# Altium PCB PCB_Banco.PcbDoc (part 1 of 2) (continued)
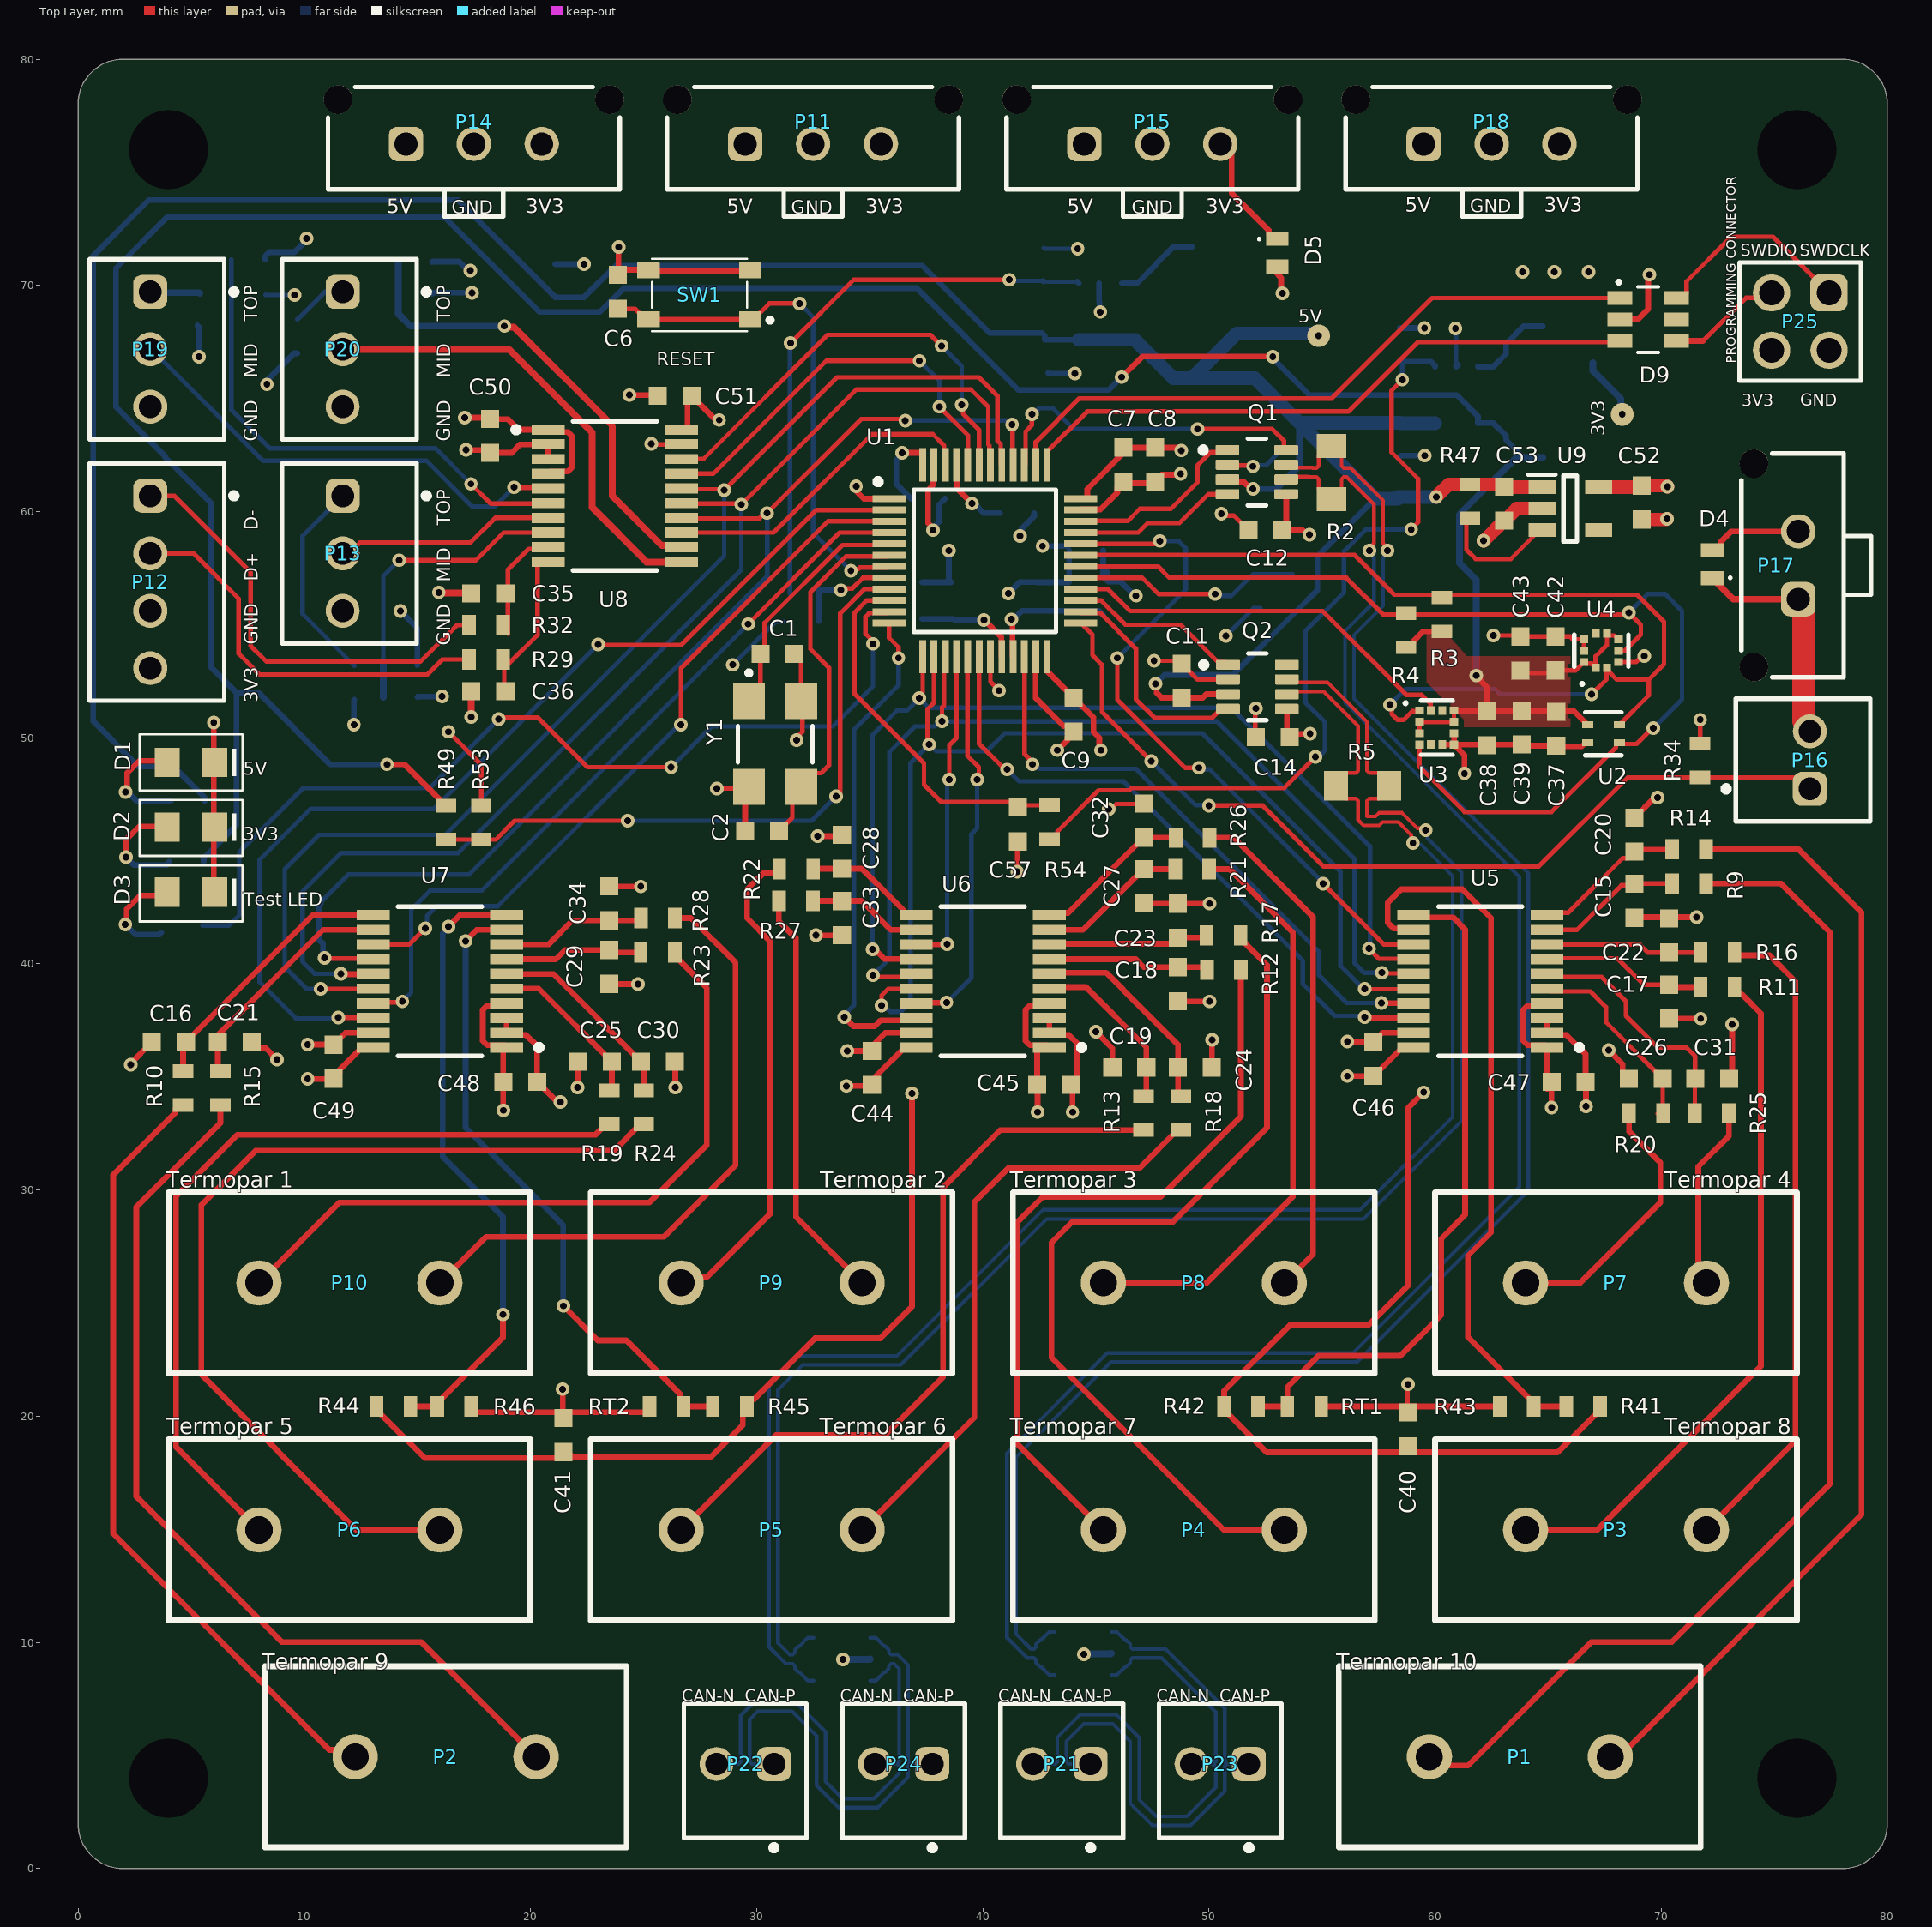
[diagram p0: Top Layer view]
## Components (designator, comment, footprint, x,y, rotation, side; value= is the part's Value field where it differs from the comment) (continued)
R22 "560112116014" WRIS-RSKS_0603_Reflow 31.752,44.186 r180 top value=1k
R23 "560112116014" WRIS-RSKS_0603_Reflow 25.632,40.503 r0 top value=1k
R24 "560112116014" WRIS-RSKS_0603_Reflow 25.009,33.657 r270 top value=1k
R25 "560112116014" WRIS-RSKS_0603_Reflow 72.241,33.391 r0 top value=1k
R26 "560112116014" WRIS-RSKS_0603_Reflow 49.278,45.583 r0 top value=1k
R27 "560112116014" WRIS-RSKS_0603_Reflow 31.74,42.789 r180 top value=1k
R28 "560112116014" WRIS-RSKS_0603_Reflow 25.644,42.027 r0 top value=1k
R29 "560112116014" WRIS-RSKS_0603_Reflow 18.039,54.981 r180 top value=1k
R30 "560112116005" WRIS-RSKS_0603_Reflow 14.263,51.802 r0 bottom value=10k
R31 "560112116005" WRIS-RSKS_0603_Reflow 12.219,52.437 r270 bottom value=10k
R32 "560112116014" WRIS-RSKS_0603_Reflow 18.039,53.457 r180 top value=1k
R33 "560112116020" WRIS-RSKS_0603_Reflow 14.259,53.199 r180 bottom value=330
R34 "560112116041" WRIS-RSKS_0603_Reflow 71.717,49 r270 top value=150
R35 "560112116005" WRIS-RSKS_0603_Reflow 7.53,71.144 r0 bottom value=10k
R36 "560112116005" WRIS-RSKS_0603_Reflow 5.275,68.975 r270 bottom value=10k
R37 "560112116005" WRIS-RSKS_0603_Reflow 14.907,71.031 r0 bottom value=10k
R38 "560112116005" WRIS-RSKS_0603_Reflow 9.7,67.75 r270 bottom value=10k
R39 "560112116020" WRIS-RSKS_0603_Reflow 7.53,69.589 r180 bottom value=330
R40 "560112116020" WRIS-RSKS_0603_Reflow 14.907,69.634 r180 bottom value=330
R41 "560112116005" WRIS-RSKS_0603_Reflow 66.55,20.437 r0 top value=10k
R42 "560112116005" WRIS-RSKS_0603_Reflow 51.425,20.437 r180 top value=10k
R43 "560112116009" WRIS-RSKS_0603_Reflow 63.617,20.437 r0 top value=100
R44 "560112116005" WRIS-RSKS_0603_Reflow 13.948,20.437 r180 top value=10k
R45 "560112116005" WRIS-RSKS_0603_Reflow 28.819,20.437 r0 top value=10k
R46 "560112116009" WRIS-RSKS_0603_Reflow 16.639,20.437 r180 top value=100
R47 "560112116004" WRIS-RSKS_0603_Reflow 61.533,60.456 r270 top value=100k
R48 "560112116005" WRIS-RSKS_0603_Reflow 53.7,56.475 r270 bottom value=10k
R49 "560112116005" WRIS-RSKS_0603_Reflow 16.271,46.25 r90 top value=10k
R50 "560112116067" WRIS-RSKS_0603_Reflow 32,56.425 r180 bottom value=470
R51 "560112116019" WRIS-RSKS_0603_Reflow 42.698,70.907 r270 bottom value=470K
R52 "560112116035" WRIS-RSKS_0603_Reflow 52.275,56.475 r90 bottom value=15k
R53 "560112116004" WRIS-RSKS_0603_Reflow 17.825,46.25 r270 top value=100k
R54 "560112116067" WRIS-RSKS_0603_Reflow 42.958,46.262 r270 top value=470
R55 "560112116019" WRIS-RSKS_0603_Reflow 58.446,67.375 r270 bottom value=470K
R56 "580070763010" 580070763010-Footprint-1 47.432,64.939 r90 bottom
R57 "580070763010" 580070763010-Footprint-1 62.926,61.425 r90 bottom
RT1 "PTS060301B100RP100" PTS060301B100RP100-Footprint-1 54.219,20.437 r180 top
RT2 "PTS060301B100RP100" PTS060301B100RP100-Footprint-1 26.025,20.437 r0 top
SW1 "PTS815SJM250SMTRLFS" PTS815SJM250SMTRLFS-Footprint-1 27.422,69.586 r180 top
U1 "STM32G473CET6" STM32G0C1RET6-Footprint-1 40.094,57.822 r0 top
U2 "WSEN HIDS" "WSEN HIDS-Footprint-1" 67.475,50.2 r180 top
U3 "WSEN-ITDS" WSEN-ITDS-Footprint-1 60.075,50.4 r0 top
U4 "WSEN-PADS" WSEN-PADS-Footprint-1 67.3,53.9 r90 top
U5 "MCP3564R-E/ST" FP-C04-088-MFG 62,39.233 r180 top
U6 "MCP3564R-E/ST" FP-C04-088-MFG 40,39.233 r180 top
U7 "MCP3564R-E/ST" FP-C04-088-MFG 16,39.233 r180 top
U8 "MCP3564R-E/ST" FP-C04-088-MFG 23.739,60.696 r0 top
U9 "TLV75733PDBVR" SOT95P280X145-5N 65.978,60.131 r0 top
U10 "INA138" INA138-Footprint-1 42.408,69.225 r270 bottom
U11 "INA138" INA138-Footprint-1 58.156,65.542 r270 bottom
Y1 "830056583" WE-XTAL_CFPX-104 30.825,49.725 r270 top

## Footprints (in the part's own frame and the unit in brackets; to place one, negate y for a bottom-side part, rotate by r counter-clockwise, add the part's x,y. Pads: shape width x height; smd on the part's side, far side on the other; paste and mask are expansions set on the pad)
61300421121 [mm] "Pin Header, pitch 2.54 mm, THT, Vertical, dual row, 4p"
  rrect50% 1.65x1.65 hole 1.1: 1(-1.27,-1.27)
  round 1.65 hole 1.1: 2(-1.27,1.27) 3(1.27,-1.27) 4(1.27,1.27)
  silkscreen extent -2.69,-2.62 2.69,2.62, body extent -2.54,-2.54 2.54,2.54, height 8.59
61900211121 [mm] "2.54mm Male Locking Header, 2p"
  rrect50% 1.5x1.5 hole 1: 1(1.27,0.3)
  round 1.5 hole 1: 2(-1.27,0.3)
  silkscreen extent -2.71,-3.52 2.71,2.98, body extent -2.54,-2.9 2.54,2.9, height 11.53
61900311121 [mm] "2.54mm Male Locking Header, 3p"
  rrect50% 1.5x1.5 hole 1: 1(2.54,0.3)
  round 1.5 hole 1: 2(0,0.3) 3(-2.54,0.3)
  silkscreen extent -3.98,-3.52 3.98,2.98, body extent -3.81,-2.9 3.81,2.9, height 11.53
61900411121 [mm] "2.54mm Male Locking Header, 4p"
  rrect50% 1.5x1.5 hole 1: 1(3.81,0.3)
  round 1.5 hole 1: 2(1.27,0.3) 3(-1.27,0.3) 4(-3.81,0.3)
  silkscreen extent -5.25,-3.52 5.25,2.98, body extent -5.08,-2.9 5.08,2.9, height 11.53
66200211122 [mm] "3.00mm Male Single Row Vertical Header, 2p"
  rrect50% 1.52x1.52 hole 1.02: 1(1.5,0.255)
  round 1.52 hole 1.02: 2(-1.5,0.255)
  round 1.27 hole 1.27 unplated: MH1(-4.5,-1.705) MH2(4.5,-1.705)
  silkscreen extent -4.95,-2.26 4.95,3.46, body extent -4.83,-2.18 4.83,3.38, height 9.93
66200311122 [mm] "3.00mm Male Single Row Vertical Header, 3p"
  rrect50% 1.52x1.52 hole 1.02: 1(3,0.255)
  round 1.52 hole 1.02: 2(0,0.255) 3(-3,0.255)
  round 1.27 hole 1.27 unplated: MH1(-6,-1.705) MH2(6,-1.705)
  silkscreen extent -6.45,-2.26 6.45,3.46, body extent -6.32,-2.19 6.32,3.38, height 9.93
580070763010-Footprint-1 [mm]
  rect 1.8x3.5 smd: 1(0.964,1.834) 2(6.764,1.834)
  silkscreen extent 2.21,0.16 5.51,3.51, body extent 0.71,0.28 7.01,3.38, height 0.35
FP-C04-088-MFG [mm]
  rect 1.45x0.45 smd paste+0 mask+0: 1(-2.95,2.925) 2(-2.95,2.275) 3(-2.95,1.625) 4(-2.95,0.975) 5(-2.95,0.325) 6(-2.95,-0.325) 7(-2.95,-0.975) 8(-2.95,-1.625) 9(-2.95,-2.275) 10(-2.95,-2.925) 11(2.95,-2.925) 12(2.95,-2.275) 13(2.95,-1.625) 14(2.95,-0.975) 15(2.95,-0.325) 16(2.95,0.325) 17(2.95,0.975) 18(2.95,1.625) 19(2.95,2.275) 20(2.95,2.925)
  silkscreen extent -4.5,-3.3 1.85,3.3, body extent -3.77,-3.55 3.77,3.55, height 0.25
FP-DDF0008A-MFG [mm]
  rrect22% 1.05x0.45 smd paste+0 mask+0: 1(-1.3,0.975) 2(-1.3,0.325) 3(-1.3,-0.325) 4(-1.3,-0.975) 5(1.3,-0.975) 6(1.3,-0.325) 7(1.3,0.325) 8(1.3,0.975)
  silkscreen extent -2.5,-1.48 0.4,1.48, body extent -1.92,-1.73 1.92,1.73, height 0.25
INA138-Footprint-1 [mm]
  rect 1.2x0.6 smd: 1(-0.869,-1.844) 2(-0.869,-2.794) 3(-0.869,-3.744) 4(1.631,-3.744) 5(1.631,-1.844)
  silkscreen extent -1.47,-4.24 0.68,-1.29, body extent -1.02,-4.24 1.78,-1.34, height 1.2
"New footprint 1" [mm]
  round 2 hole 1.2: 1(0,4) 2(0,-4)
  silkscreen extent -4,-8 4,8, body extent -3.94,-7.85 4.06,7.85, height 25
PTS815SJM250SMTRLFS-Footprint-1 [mm]
  rect 1x0.7 smd: 1(-2.305,1.079) 1(2.195,1.079) 2(-2.305,-1.071) 2(2.195,-1.071)
  silkscreen extent -3.27,-1.6 2.05,1.61, body extent -2.35,-1.6 2.25,1.6, height 2.6
PTS060301B100RP100-Footprint-1 [mm]
  rect 0.6x0.9 smd: 1(-0.75,0) 2(0.75,0)
  body extent -0.8,-0.4 0.8,0.4, height 0.45
RCS0805120RFKEA-Footprint-1 [mm]
  rect 1.05x1.3 smd: 1(-1.175,0) 2(1.175,0)
  body extent -1,-0.63 1,0.63, height 0.53
SOT95P280X145-5N [mm]
  rect 1.2x0.6 smd: 1(-1.25,0.95) 2(-1.25,0) 3(-1.25,-0.95) 4(1.25,-0.95) 5(1.25,0.95)
  silkscreen extent -1.85,-1.45 0.3,1.5, body extent -1.4,-1.45 1.4,1.45, height 1.45
STM32G0C1RET6-Footprint-1 [mm]
  rect 1.475x0.3 smd: 1(-4.238,2.75) 2(-4.238,2.25) 3(-4.238,1.75) 4(-4.238,1.25) 5(-4.238,0.75) 6(-4.238,0.25) 7(-4.238,-0.25) 8(-4.238,-0.75) 9(-4.238,-1.25) 10(-4.238,-1.75) 11(-4.238,-2.25) 12(-4.238,-2.75) 25(4.238,-2.75) 26(4.238,-2.25) 27(4.238,-1.75) 28(4.238,-1.25) 29(4.238,-0.75) 30(4.238,-0.25) 31(4.238,0.25) 32(4.238,0.75) 33(4.238,1.25) 34(4.238,1.75) 35(4.238,2.25) 36(4.238,2.75)
  rect 0.3x1.475 smd: 13(-2.75,-4.238) 14(-2.25,-4.238) 15(-1.75,-4.238) 16(-1.25,-4.238) 17(-0.75,-4.238) 18(-0.25,-4.238) 19(0.25,-4.238) 20(0.75,-4.238) 21(1.25,-4.238) 22(1.75,-4.238) 23(2.25,-4.238) 24(2.75,-4.238) 37(2.75,4.238) 38(2.25,4.238) 39(1.75,4.238) 40(1.25,4.238) 41(0.75,4.238) 42(0.25,4.238) 43(-0.25,4.238) 44(-0.75,4.238) 45(-1.25,4.238) 46(-1.75,4.238) 47(-2.25,4.238) 48(-2.75,4.238)
  silkscreen extent -4.85,-3.15 3.15,3.62, body extent -4.5,-4.5 4.5,4.5, height 1.6
WCAP-CSGP_0603_L1.6W0.8H0.8_Reflow [mm] "Ceramic Capacitors, body 1.6x0.8mm"
  rect 0.8x0.8 smd: 1(-0.75,0) 2(0.75,0)
  body extent -0.8,-0.4 0.8,0.4, height 0.8
WE-CBF_0603_L1.6W0.8H0.8_HC [mm] "SMD EMI Suppression Ferrite  Bead, body 1.60x0.80mm"
  rect 0.95x0.7 smd: 1(-0.825,0) 2(0.825,0)
  body extent -0.8,-0.4 0.8,0.4, height 0.8
WE-TVS_DFN1610-2L [mm] "TVS Diode, package DFN1610-2L"
  rect 0.625x1 smd: 1(-0.613,0) 2(0.613,0)
  silkscreen extent -0.65,-0.85 -0.55,-0.75, body extent -0.8,-0.5 0.8,0.5, height 0.51
WE-TVS_SOT23-6L [mm] "TVS Diode, package SOT23-6L"
  rect 0.6x1.1 smd: 1(-0.95,-1.25) 2(0,-1.25) 3(0.95,-1.25) 4(0.95,1.25) 5(0,1.25) 6(-0.95,1.25)
  silkscreen extent -1.72,-1.38 1.45,0.45, body extent -1.45,-1.4 1.45,1.4, height 1.16
WE-XTAL_CFPX-104 [mm] "Quartz Crystal, size CFPX-104, body 5x3.2mm"
  rect 1.6x1.4 smd: 1(-1.9,-1.15) 2(1.9,-1.15) 3(1.9,1.15) 4(-1.9,1.15)
  silkscreen extent -3.24,-1.65 0.8,1.65, body extent -2.5,-1.6 2.5,1.6, height 0.95
WL-SMCW_0805_150080xx75000 [mm] "SMD Mono-color Chip LED, body 2.0x1.25mm"
  rect 1.1x1.3 smd: 1(-1.05,0) 2(1.05,0)
  silkscreen extent -2,-0.6 -1.8,0.6, body extent -1,-0.63 1,0.62, height 0.7
WRIS-RSKS_0603_Reflow [mm] "Fixed Thick Film, body 1.60 x 0.80 mm"
  rect 0.6x0.9 smd: 1(-0.75,0) 2(0.75,0)
  body extent -0.8,-0.4 0.8,0.4, height 0.45
"WSEN HIDS-Footprint-1" [mm]
  rect 0.5x0.3 smd paste-0.02 mask+0.05: 1(-0.675,0.425) 2(-0.675,-0.375) 3(0.725,-0.375) 4(0.725,0.425)
  silkscreen extent -0.78,-0.92 0.83,0.97, body extent -0.73,-0.73 0.78,0.78, height 0.55
WSEN-ITDS-Footprint-1 [mm]
  rect 0.375x0.35 smd paste-0.02 mask+0.05: 1(-0.762,0.8) 2(-0.762,0.3) 3(-0.762,-0.2) 4(-0.762,-0.7) 7(0.762,-0.7) 8(0.762,-0.2) 9(0.762,0.3) 10(0.762,0.8)
  rect 0.35x0.375 smd paste-0.02 mask+0.05: 5(-0.25,-0.7) 6(0.25,-0.7) 11(0.25,0.8) 12(-0.25,0.8)
  silkscreen extent -1.41,-1.15 0.7,1.25, body extent -1,-0.95 1,1.05, height 0.7
WSEN-PADS-Footprint-1 [mm]
  rect 0.375x0.35 smd paste-0.02 mask+0.05: 1(-0.81,0.2) 2(-0.81,-0.3) 6(0.71,-0.3) 7(0.71,0.2)
  rect 0.35x0.375 smd paste-0.02 mask+0.05: 3(-0.55,-0.81) 4(-0.05,-0.81) 5(0.45,-0.81) 8(0.45,0.71) 9(-0.05,0.71) 10(-0.55,0.71)
  silkscreen extent -1.55,-1.25 0.65,1.15, body extent -1.05,-1.05 0.95,0.95, height 0.73

## Part data
C1 C2: library part CMP-001-00150-1, "WCAP-CSGP Multilayer Ceramic Chip Capacitor, General Purpose, size 0603, NP0, 22pF, 25VDC", Capacitance Tolerance=+/-5%, Case/Package=0603, Insulation Resistance=10GOhm, Manufacturer="Wurth Elektronik", Operating Temperature Max=125°C, Operating Temperature Min=-55°C, Rated Voltage (DC)=25V, Category="Multilayer Ceramic Chip Capacitors", Ceramic Type=NP0, Component Type=Standard, ComponentLink1Description="Website Link", ComponentLink1URL=https://www.we-online.com/redexpert/article/885012006034?ad, ComponentLink2Description="Datasheet Link", ComponentLink2URL=https://www.we-online.com/redexpert/spec/885012006034?ad, Design Item ID=885012006034, Height=0.8mm, Length=1.6mm, Manufacturer Part Number=885012006034, Match Code=WCAP-CSGP, Mount="Surface Mount", Packaging="Tape and Reel", Pins=2, Q Factor=840, Source=WCAP-CSGP.SchLib, Technical Reference=NP00603220J025DFCT10000, Width=0.8mm
C3 C5 C44 C47 C49 C51 C52 C53 C58: library part CMP-001-00642-1, "WCAP-CSGP Multilayer Ceramic Chip Capacitor, General Purpose, size 0603, X7R, 1uF, 16VDC", Capacitance Tolerance=+/-10%, Case/Package=0603, Insulation Resistance=0.1GOhm, Manufacturer="Wurth Elektronik", Operating Temperature Max=125°C, Operating Temperature Min=-55°C, Rated Voltage (DC)=16V, Category="Multilayer Ceramic Chip Capacitors", Ceramic Type=X7R, Component Type=Standard, ComponentLink1Description="Website Link", ComponentLink1URL=https://www.we-online.com/redexpert/article/885012206052?ad, ComponentLink2Description="Datasheet Link", ComponentLink2URL=https://www.we-online.com/redexpert/spec/885012206052?ad, Design Item ID=885012206052, Dissipation Factor=10%, Height=0.8mm, Length=1.6mm, Manufacturer Part Number=885012206052, Match Code=WCAP-CSGP, Mount="Surface Mount", Packaging="Tape and Reel", Pins=2, Source=WCAP-CSGP.SchLib, Technical Reference=X7R0603105K016DFCT10000, Width=0.8mm
C4: library part CMP-001-00655-1, "WCAP-CSGP Multilayer Ceramic Chip Capacitor, General Purpose, size 0603, X7R, 10nF, 25VDC", Capacitance Tolerance=+/-10%, Case/Package=0603, Insulation Resistance=10GOhm, Manufacturer="Wurth Elektronik", Operating Temperature Max=125°C, Operating Temperature Min=-55°C, Rated Voltage (DC)=25V, Category="Multilayer Ceramic Chip Capacitors", Ceramic Type=X7R, Component Type=Standard, ComponentLink1Description="Website Link", ComponentLink1URL=https://www.we-online.com/redexpert/article/885012206065?ad, ComponentLink2Description="Datasheet Link", ComponentLink2URL=https://www.we-online.com/redexpert/spec/885012206065?ad, Design Item ID=885012206065, Dissipation Factor=3.5%, Height=0.8mm, Length=1.6mm, Manufacturer Part Number=885012206065, Match Code=WCAP-CSGP, Mount="Surface Mount", Packaging="Tape and Reel", Pins=2, Source=WCAP-CSGP.SchLib, Technical Reference=X7R0603103K025DFCT10000, Width=0.8mm
C6 C8 C9 C10 C11 C12 C13 C14 C15 C16 C17 C18 C19 C20 C21 C22 C23 C24 C25 C26 C27 C28 C29 C30 C31 C32 C33 C34 C35 C36 C37 C39 C43 C45 C46 C48 C50 C54 C56 C59: library part CMP-001-00661-1, "WCAP-CSGP Multilayer Ceramic Chip Capacitor, General Purpose, size 0603, X7R, 100nF, 25VDC", Capacitance Tolerance=+/-10%, Case/Package=0603, Insulation Resistance=5GOhm, Manufacturer="Wurth Elektronik", Operating Temperature Max=125°C, Operating Temperature Min=-55°C, Rated Voltage (DC)=25V, Category="Multilayer Ceramic Chip Capacitors", Ceramic Type=X7R, Component Type=Standard, ComponentLink1Description="Website Link", ComponentLink1URL=https://www.we-online.com/redexpert/article/885012206071?ad, ComponentLink2Description="Datasheet Link", ComponentLink2URL=https://www.we-online.com/redexpert/spec/885012206071?ad, Design Item ID=885012206071, Dissipation Factor=3.5%, Height=0.8mm, Length=1.6mm, Manufacturer Part Number=885012206071, Match Code=WCAP-CSGP, Mount="Surface Mount", Packaging="Tape and Reel", Pins=2, Source=WCAP-CSGP.SchLib, Technical Reference=X7R0603104K025DFCT10000, Width=0.8mm
C7 C38 C42: library part CMP-001-00440-1, "WCAP-CSGP Multilayer Ceramic Chip Capacitor, General Purpose, size 0603, X5R, 4.7uF, 10VDC", Capacitance Tolerance=+/-20%, Case/Package=0603, Insulation Resistance=0.02GOhm, Manufacturer="Wurth Elektronik", Operating Temperature Max=85°C, Operating Temperature Min=-55°C, Rated Voltage (DC)=10V, Category="Multilayer Ceramic Chip Capacitors", Ceramic Type=X5R, Component Type=Standard, ComponentLink1Description="Website Link", ComponentLink1URL=https://www.we-online.com/redexpert/article/885012106012?ad, ComponentLink2Description="Datasheet Link", ComponentLink2URL=https://www.we-online.com/redexpert/spec/885012106012?ad, Design Item ID=885012106012, Dissipation Factor=10%, Height=0.8mm, Length=1.6mm, Manufacturer Part Number=885012106012, Match Code=WCAP-CSGP, Mount="Surface Mount", Packaging="Tape and Reel", Pins=2, Source=WCAP-CSGP.SchLib, Technical Reference=X5R0603475M010DFCT10000, Width=0.8mm
C40 C41: library part CMP-001-00610-1, "WCAP-CSGP Multilayer Ceramic Chip Capacitor, General Purpose, size 0603, X7R, 100nF, 10VDC", Capacitance Tolerance=+/-10%, Case/Package=0603, Insulation Resistance=5GOhm, Manufacturer="Wurth Elektronik", Operating Temperature Max=125°C, Operating Temperature Min=-55°C, Rated Voltage (DC)=10V, Category="Multilayer Ceramic Chip Capacitors", Ceramic Type=X7R, Component Type=Standard, ComponentLink1Description="Website Link", ComponentLink1URL=https://www.we-online.com/redexpert/article/885012206020?ad, ComponentLink2Description="Datasheet Link", ComponentLink2URL=https://www.we-online.com/redexpert/spec/885012206020?ad, Design Item ID=885012206020, Dissipation Factor=5%, Height=0.8mm, Length=1.6mm, Manufacturer Part Number=885012206020, Match Code=WCAP-CSGP, Mount="Surface Mount", Packaging="Tape and Reel", Pins=2, Source=WCAP-CSGP.SchLib, Technical Reference=X7R0603104K010DFCT10000, Width=0.8mm
C55 C57: library part CMP-001-00652-1, "WCAP-CSGP Multilayer Ceramic Chip Capacitor, General Purpose, size 0603, X7R, 3.3nF, 25VDC", Capacitance Tolerance=+/-10%, Case/Package=0603, Insulation Resistance=10GOhm, Manufacturer="Wurth Elektronik", Operating Temperature Max=125°C, Operating Temperature Min=-55°C, Rated Voltage (DC)=25V, Category="Multilayer Ceramic Chip Capacitors", Ceramic Type=X7R, Component Type=Standard, ComponentLink1Description="Website Link", ComponentLink1URL=https://www.we-online.com/redexpert/article/885012206062?ad, ComponentLink2Description="Datasheet Link", ComponentLink2URL=https://www.we-online.com/redexpert/spec/885012206062?ad, Design Item ID=885012206062, Dissipation Factor=3.5%, Height=0.8mm, Length=1.6mm, Manufacturer Part Number=885012206062, Match Code=WCAP-CSGP, Mount="Surface Mount", Packaging="Tape and Reel", Pins=2, Source=WCAP-CSGP.SchLib, Technical Reference=X7R0603332K025DFCT10000, Width=0.8mm
D1 D2: library part CMP-004-00452-1, "WL-SMCW Mono-color Chip LED Waterclear, SMT, size 0805, Green, 3.2V, 140°", Case/Package=0805, Emitting Color=Green, Forward Voltage=3.2V, Manufacturer="Wurth Elektronik", Operating Temperature Max=85°C, Operating Temperature Min=-40°C, Category="Signal LEDs", Chip Technology=InGaN, Component Type=Standard, ComponentLink1Description="Website Link", ComponentLink1URL=https://www.we-online.com/redexpert/article/150080GS75000?ad, ComponentLink2Description="Datasheet Link", ComponentLink2URL=https://www.we-online.com/redexpert/spec/150080GS75000?ad, Design Item ID=150080GS75000, Dominant Wavelength=525nm, Height=0.7mm, Length=2mm, Luminous Intensity=450mcd, Manufacturer Part Number=150080GS75000, Match Code=WL-SMCW, Mount="Surface Mount", Packaging="Tape and Reel", Peak Wavelength=515nm, Pins=2, Source=WL-SMCW.SchLib, Viewing Angle=140°, Width=1.25mm
D3: library part CMP-004-00456-1, "WL-SMCW Mono-color Chip LED Waterclear, SMT, size 0805, Yellow, 2V, 140°", Case/Package=0805, Emitting Color=Yellow, Forward Voltage=2V, Manufacturer="Wurth Elektronik", Operating Temperature Max=85°C, Operating Temperature Min=-40°C, Category="Signal LEDs", Chip Technology=AlInGaP, Component Type=Standard, ComponentLink1Description="Website Link", ComponentLink1URL=https://www.we-online.com/redexpert/article/150080YS75000?ad, ComponentLink2Description="Datasheet Link", ComponentLink2URL=https://www.we-online.com/redexpert/spec/150080YS75000?ad, Design Item ID=150080YS75000, Dominant Wavelength=590nm, Height=0.7mm, Length=2mm, Luminous Intensity=120mcd, Manufacturer Part Number=150080YS75000, Match Code=WL-SMCW, Mount="Surface Mount", Packaging="Tape and Reel", Peak Wavelength=595nm, Pins=2, Source=WL-SMCW.SchLib, Viewing Angle=140°, Width=1.25mm
D4: library part CMP-004-00054-1, "WE-TVS TVS Diode – Standard Series, DFN1610-2L, 1 Channel, 20V, 240pF", (Reverse) Breakdown Voltage=22.8V, (Reverse) Peak Pulse Current=24A, Case/Package=DFN1610-2L, Channel ESD Clamping Voltage=25.5V, Channel Input Capacitance=240pF, Channel Operating Voltage=20V, Channel Reverse Leakage Current=1uA, Manufacturer="Wurth Elektronik", Operating Temperature Max=85°C, Operating Temperature Min=-55°C, Category="ESD Protection", Component Type=Standard, ComponentLink1Description="Website Link", ComponentLink1URL=https://www.we-online.com/redexpert/article/824045810?ad, ComponentLink2Description="Datasheet Link", ComponentLink2URL=https://www.we-online.com/redexpert/spec/824045810?ad, Design Item ID=824045810, ESD Air Discharge Capability=30kV, ESD Contact Discharge Capability=30kV, Height=0.5mm, Length=1.6mm, Manufacturer Part Number=824045810, Match Code=WE-TVS, Mount="Surface Mount", Number of Channels=1, Packaging="Tape and Reel", Pins=2, Polarity=Unidirectional, Source=WE-TVS.SchLib, Width=1mm
D5: library part CMP-03913-133963840-1, "824032813 Tvs Diode, Bidir, 3.3V, Dfn1610 Rohs Compliant: Yes", Max Operating Temperature=125°C, Min Operating Temperature=-55°C, Height=500µm, Length=1.6mm, NexarPartId=133963840, RoHS=Compliant, Width=1mm
D6: library part CMP-03913-133963841-1, "824032815 Tvs Diode, Bidir, 5V, Dfn1610 Rohs Compliant: Yes", Max Operating Temperature=85°C, Min Operating Temperature=-55°C, Height=500µm, Length=1.6mm, NexarPartId=133963841, RoHS=Compliant, Width=1mm
D7 D8 D9: library part CMP-004-00017-1, "WE-TVS TVS Diode – High Speed Series, SOT23-6L, 2+1 Channel, 5V, 2pF", (Reverse) Breakdown Voltage=6V, (Reverse) Peak Pulse Current=7A, Case/Package=SOT23-6L, Channel ESD Clamping Voltage=10V, Channel Input Capacitance=2pF, Channel Operating Voltage=5V, Channel Reverse Leakage Current=1uA, Manufacturer="Wurth Elektronik", Operating Temperature Max=125°C, Operating Temperature Min=-40°C, Category="ESD Protection", Component Type=Standard, ComponentLink1Description="Website Link", ComponentLink1URL=https://www.we-online.com/redexpert/article/82400102?ad, ComponentLink2Description="Datasheet Link", ComponentLink2URL=https://www.we-online.com/redexpert/spec/82400102?ad, Design Item ID=82400102, ESD Air Discharge Capability=15kV, ESD Contact Discharge Capability=8kV, Height=1.45mm, Length=2.9mm, Manufacturer Part Number=82400102, Match Code=WE-TVS, Mount="Surface Mount", Number of Channels=2+1, Packaging="Tape and Reel", Pins=6, Polarity=Unidirectional, Source=WE-TVS.SchLib, Width=2.8mm
FB1: library part CMP-006-00120-1, "WE-CBF SMT EMI Suppression Ferrite Bead, size 0603, 120Ohm, 2A", Case/Package=0603, DC Resistance Max=0.05Ohm, Manufacturer="Wurth Elektronik", Operating Temperature Max=125°C, Operating Temperature Min=-55°C, Rated Current=2A, Category="Ferrites for PCB Assembly", Component Type=Standard, ComponentLink1Description="Website Link", ComponentLink1URL=https://www.we-online.com/redexpert/article/742792625?ad, ComponentLink2Description="Datasheet Link", ComponentLink2URL=https://www.we-online.com/redexpert/spec/742792625?ad, Design Item ID=742792625, Height=0.8mm, Impedance @100MHz=120Ohm, Impedance Max=180Ohm, Impedance Max Test Condition=400MHz, Length=1.6mm, Manufacturer Part Number=742792625, Match Code=WE-CBF, Mount="Surface Mount", Packaging="Tape and Reel", Pins=2, Source=WE-CBF.SchLib, Type="High Current", Width=0.8mm
P1 P2 P3 P4 P5 P6 P7 P8 P9 P10: library part CMP-002-00006-3, "Conector para termopar vertical (hembra)"
P11 P14 P15 P18: library part CMP-002-00024-2, "WR-MPC3 THT Male Vertical Header, pitch 3mm, 3p", Contact Resistance=10mOhm, Insulation Resistance=>1000MOhm, Manufacturer="Wurth Elektronik", Operating Temperature Max=105°C, Operating Temperature Min=-40°C, Rated Current=5A, Working Voltage="250V (AC)", Category="Wire-to-Board Connectors", Component Type=Standard, ComponentLink1Description="Website Link", ComponentLink1URL=https://www.we-online.com/redexpert/article/66200311122?ad, ComponentLink2Description="Datasheet Link", ComponentLink2URL=https://www.we-online.com/redexpert/spec/66200311122?ad, Design Item ID=66200311122, Gender=Male, Height=11mm, Length=12.65mm, Manufacturer Part Number=66200311122, Match Code=WR-MPC3, Mount="Through Hole", Number of Rows=1, Orientation=Vertical, Packaging=Tube, Pin Count=3, Pins=3, Pitch=3mm, Source=WR-MPC3.SchLib, Width=5.57mm
P12: library part CMP-002-00293-1, "WR-WTB THT Male Vertical Locking Header, pitch 2.54mm, 4pins", Contact Resistance=20mOhm, Manufacturer="Wurth Elektronik", Operating Temperature Max=105°C, Operating Temperature Min=-40°C, Rated Current=3A, Withstanding Voltage=1000VAC, Working Voltage=250VAC, Category="Wire-to-Board Connectors", Component Type=Standard, ComponentLink1Description="Website Link", ComponentLink1URL=https://www.we-online.com/redexpert/article/61900411121?ad, ComponentLink2Description="Datasheet Link", ComponentLink2URL=https://www.we-online.com/redexpert/spec/61900411121?ad, Design Item ID=61900411121, Gender=Male, Height=11.5mm, Length=10.16mm, Manufacturer Part Number=61900411121, Match Code=WR-WTB, Mount="Through Hole", Number of Rows=1, Orientation=Vertical, Packaging=Bag, Pin Count=4, Pins=4, Pitch=2.54mm, Source=WR-WTB.SchLib, Width=5.8mm
P13 P19 P20: library part CMP-002-00290-1, "WR-WTB THT Male Vertical Locking Header, pitch 2.54mm, 3pins", Contact Resistance=20mOhm, Manufacturer="Wurth Elektronik", Operating Temperature Max=105°C, Operating Temperature Min=-40°C, Rated Current=3A, Withstanding Voltage=1000VAC, Working Voltage=250VAC, Category="Wire-to-Board Connectors", Component Type=Standard, ComponentLink1Description="Website Link", ComponentLink1URL=https://www.we-online.com/redexpert/article/61900311121?ad, ComponentLink2Description="Datasheet Link", ComponentLink2URL=https://www.we-online.com/redexpert/spec/61900311121?ad, Design Item ID=61900311121, Gender=Male, Height=11.5mm, Length=7.62mm, Manufacturer Part Number=61900311121, Match Code=WR-WTB, Mount="Through Hole", Number of Rows=1, Orientation=Vertical, Packaging=Bag, Pin Count=3, Pins=3, Pitch=2.54mm, Source=WR-WTB.SchLib, Width=5.8mm
P16 P21 P22 P23 P24: library part CMP-002-00287-1, "WR-WTB THT Male Vertical Locking Header, pitch 2.54mm, 2pins", Contact Resistance=20mOhm, Manufacturer="Wurth Elektronik", Operating Temperature Max=105°C, Operating Temperature Min=-40°C, Rated Current=3A, Withstanding Voltage=1000VAC, Working Voltage=250VAC, Category="Wire-to-Board Connectors", Component Type=Standard, ComponentLink1Description="Website Link", ComponentLink1URL=https://www.we-online.com/redexpert/article/61900211121?ad, ComponentLink2Description="Datasheet Link", ComponentLink2URL=https://www.we-online.com/redexpert/spec/61900211121?ad, Design Item ID=61900211121, Gender=Male, Height=11.5mm, Length=5.08mm, Manufacturer Part Number=61900211121, Match Code=WR-WTB, Mount="Through Hole", Number of Rows=1, Orientation=Vertical, Packaging=Bag, Pin Count=2, Pins=2, Pitch=2.54mm, Source=WR-WTB.SchLib, Width=5.8mm
P17: library part CMP-002-00010-2, "WR-MPC3 THT Male Vertical Header, pitch 3mm, 2p", Contact Resistance=10mOhm, Insulation Resistance=>1000MOhm, Manufacturer="Wurth Elektronik", Operating Temperature Max=105°C, Operating Temperature Min=-40°C, Rated Current=5A, Working Voltage="250V (AC)", Category="Wire-to-Board Connectors", Component Type=Standard, ComponentLink1Description="Website Link", ComponentLink1URL=https://www.we-online.com/redexpert/article/66200211122?ad, ComponentLink2Description="Datasheet Link", ComponentLink2URL=https://www.we-online.com/redexpert/spec/66200211122?ad, Design Item ID=66200211122, Gender=Male, Height=11mm, Length=9.65mm, Manufacturer Part Number=66200211122, Match Code=WR-MPC3, Mount="Through Hole", Number of Rows=1, Orientation=Vertical, Packaging=Tube, Pin Count=2, Pins=2, Pitch=3mm, Source=WR-MPC3.SchLib, Width=5.57mm
P25: library part CMP-002-00747-2, "Board Connector, 4 Contact(s), 2 Row(s), Male, Straight, 0.1 inch Pitch, Solder Terminal, Black Insulator, Plug", Max Operating Temperature=125°C, Min Operating Temperature=-40°C, Connector Type="BOARD CONNECTOR", Mounting Technology=Board, RoHS Compliant=Yes
Q1 Q2: library part CMP-015-00003-4, "Enhanced automotive CAN transceiver with standby 8-SOT-23-THIN -40 to 150"
R1 R30 R31 R35 R36 R37 R38 R41 R42 R44 R45 R48 R49: library part CMP-009-00328-1, "WRIS-RSKS Thick Film Resistor, size 0603, 10000Ohm, 100mW", Case/Package=0603, Limiting Element Voltage=75V, Manufacturer="Wurth Elektronik", Operating Temperature Max=155°C, Operating Temperature Min=-55°C, Rated Power=100mW, Resistance Tolerance=+/-1%, Temperature Coefficient of Resistance Max=100ppm/°C, Temperature Coefficient of Resistance Min=-100ppm/°C, Category="Thick Film Resistors", Component Type=Standard, ComponentLink1Description="Website Link", ComponentLink1URL=https://www.we-online.com/redexpert/article/560112116005?ad, ComponentLink2Description="Datasheet Link", ComponentLink2URL=https://www.we-online.com/redexpert/spec/560112116005?ad, Design Item ID=560112116005, Height=0.45mm, Length=1.6mm, Manufacturer Part Number=560112116005, Match Code=WRIS-RSKS, Mount="Surface Mount", Packaging="Tape and Reel", Pins=2, Source=WRIS-RSKS.SchLib, Width=0.8mm
R2 R5: library part CMP-009-00119-3, "Fixed Resistor, Metal Glaze/thick Film, 0.4W, 120ohm, 150V, 1% +/-Tol, 100ppm/Cel, Surface Mount, 0805", Case/Package=0805, Power=500mW, Mounting Technology=SMD, Pins=2
R3 R4: library part CMP-009-00393-1, "WRIS-RSKS Thick Film Resistor, size 0603, 1200Ohm, 100mW", Case/Package=0603, Limiting Element Voltage=75V, Manufacturer="Wurth Elektronik", Operating Temperature Max=155°C, Operating Temperature Min=-55°C, Rated Power=100mW, Resistance Tolerance=+/-1%, Temperature Coefficient of Resistance Max=100ppm/°C, Temperature Coefficient of Resistance Min=-100ppm/°C, Category="Thick Film Resistors", Component Type=Standard, ComponentLink1Description="Website Link", ComponentLink1URL=https://www.we-online.com/redexpert/article/560112116070?ad, ComponentLink2Description="Datasheet Link", ComponentLink2URL=https://www.we-online.com/redexpert/spec/560112116070?ad, Design Item ID=560112116070, Height=0.45mm, Length=1.6mm, Manufacturer Part Number=560112116070, Match Code=WRIS-RSKS, Mount="Surface Mount", Packaging="Tape and Reel", Pins=2, Source=WRIS-RSKS.SchLib, Width=0.8mm
R6 R9 R10 R11 R12 R13 R14 R15 R16 R17 R18 R19 R20 R21 R22 R23 R24 R25 R26 R27 R28 R29 R32: library part CMP-009-00337-1, "WRIS-RSKS Thick Film Resistor, size 0603, 1000Ohm, 100mW", Case/Package=0603, Limiting Element Voltage=75V, Manufacturer="Wurth Elektronik", Operating Temperature Max=155°C, Operating Temperature Min=-55°C, Rated Power=100mW, Resistance Tolerance=+/-1%, Temperature Coefficient of Resistance Max=100ppm/°C, Temperature Coefficient of Resistance Min=-100ppm/°C, Category="Thick Film Resistors", Component Type=Standard, ComponentLink1Description="Website Link", ComponentLink1URL=https://www.we-online.com/redexpert/article/560112116014?ad, ComponentLink2Description="Datasheet Link", ComponentLink2URL=https://www.we-online.com/redexpert/spec/560112116014?ad, Design Item ID=560112116014, Height=0.45mm, Length=1.6mm, Manufacturer Part Number=560112116014, Match Code=WRIS-RSKS, Mount="Surface Mount", Packaging="Tape and Reel", Pins=2, Source=WRIS-RSKS.SchLib, Width=0.8mm
R7 R43 R46: library part CMP-009-00332-1, "WRIS-RSKS Thick Film Resistor, size 0603, 100Ohm, 100mW", Case/Package=0603, Limiting Element Voltage=75V, Manufacturer="Wurth Elektronik", Operating Temperature Max=155°C, Operating Temperature Min=-55°C, Rated Power=100mW, Resistance Tolerance=+/-1%, Temperature Coefficient of Resistance Max=100ppm/°C, Temperature Coefficient of Resistance Min=-100ppm/°C, Category="Thick Film Resistors", Component Type=Standard, ComponentLink1Description="Website Link", ComponentLink1URL=https://www.we-online.com/redexpert/article/560112116009?ad, ComponentLink2Description="Datasheet Link", ComponentLink2URL=https://www.we-online.com/redexpert/spec/560112116009?ad, Design Item ID=560112116009, Height=0.45mm, Length=1.6mm, Manufacturer Part Number=560112116009, Match Code=WRIS-RSKS, Mount="Surface Mount", Packaging="Tape and Reel", Pins=2, Source=WRIS-RSKS.SchLib, Width=0.8mm
R8: library part CMP-009-00361-1, "WRIS-RSKS Thick Film Resistor, size 0603, 1500Ohm, 100mW", Case/Package=0603, Limiting Element Voltage=75V, Manufacturer="Wurth Elektronik", Operating Temperature Max=155°C, Operating Temperature Min=-55°C, Rated Power=100mW, Resistance Tolerance=+/-1%, Temperature Coefficient of Resistance Max=100ppm/°C, Temperature Coefficient of Resistance Min=-100ppm/°C, Category="Thick Film Resistors", Component Type=Standard, ComponentLink1Description="Website Link", ComponentLink1URL=https://www.we-online.com/redexpert/article/560112116038?ad, ComponentLink2Description="Datasheet Link", ComponentLink2URL=https://www.we-online.com/redexpert/spec/560112116038?ad, Design Item ID=560112116038, Height=0.45mm, Length=1.6mm, Manufacturer Part Number=560112116038, Match Code=WRIS-RSKS, Mount="Surface Mount", Packaging="Tape and Reel", Pins=2, Source=WRIS-RSKS.SchLib, Width=0.8mm
R33 R39 R40: library part CMP-009-00343-1, "WRIS-RSKS Thick Film Resistor, size 0603, 330Ohm, 100mW", Case/Package=0603, Limiting Element Voltage=75V, Manufacturer="Wurth Elektronik", Operating Temperature Max=155°C, Operating Temperature Min=-55°C, Rated Power=100mW, Resistance Tolerance=+/-1%, Temperature Coefficient of Resistance Max=100ppm/°C, Temperature Coefficient of Resistance Min=-100ppm/°C, Category="Thick Film Resistors", Component Type=Standard, ComponentLink1Description="Website Link", ComponentLink1URL=https://www.we-online.com/redexpert/article/560112116020?ad, ComponentLink2Description="Datasheet Link", ComponentLink2URL=https://www.we-online.com/redexpert/spec/560112116020?ad, Design Item ID=560112116020, Height=0.45mm, Length=1.6mm, Manufacturer Part Number=560112116020, Match Code=WRIS-RSKS, Mount="Surface Mount", Packaging="Tape and Reel", Pins=2, Source=WRIS-RSKS.SchLib, Width=0.8mm
R34: library part CMP-009-00364-1, "WRIS-RSKS Thick Film Resistor, size 0603, 150Ohm, 100mW", Case/Package=0603, Limiting Element Voltage=75V, Manufacturer="Wurth Elektronik", Operating Temperature Max=155°C, Operating Temperature Min=-55°C, Rated Power=100mW, Resistance Tolerance=+/-1%, Temperature Coefficient of Resistance Max=100ppm/°C, Temperature Coefficient of Resistance Min=-100ppm/°C, Category="Thick Film Resistors", Component Type=Standard, ComponentLink1Description="Website Link", ComponentLink1URL=https://www.we-online.com/redexpert/article/560112116041?ad, ComponentLink2Description="Datasheet Link", ComponentLink2URL=https://www.we-online.com/redexpert/spec/560112116041?ad, Design Item ID=560112116041, Height=0.45mm, Length=1.6mm, Manufacturer Part Number=560112116041, Match Code=WRIS-RSKS, Mount="Surface Mount", Packaging="Tape and Reel", Pins=2, Source=WRIS-RSKS.SchLib, Width=0.8mm
R47 R53: library part CMP-009-00327-1, "WRIS-RSKS Thick Film Resistor, size 0603, 100000Ohm, 100mW", Case/Package=0603, Limiting Element Voltage=75V, Manufacturer="Wurth Elektronik", Operating Temperature Max=155°C, Operating Temperature Min=-55°C, Rated Power=100mW, Resistance Tolerance=+/-1%, Temperature Coefficient of Resistance Max=100ppm/°C, Temperature Coefficient of Resistance Min=-100ppm/°C, Category="Thick Film Resistors", Component Type=Standard, ComponentLink1Description="Website Link", ComponentLink1URL=https://www.we-online.com/redexpert/article/560112116004?ad, ComponentLink2Description="Datasheet Link", ComponentLink2URL=https://www.we-online.com/redexpert/spec/560112116004?ad, Design Item ID=560112116004, Height=0.45mm, Length=1.6mm, Manufacturer Part Number=560112116004, Match Code=WRIS-RSKS, Mount="Surface Mount", Packaging="Tape and Reel", Pins=2, Source=WRIS-RSKS.SchLib, Width=0.8mm
R50 R54: library part CMP-009-00390-1, "WRIS-RSKS Thick Film Resistor, size 0603, 470Ohm, 100mW", Case/Package=0603, Limiting Element Voltage=75V, Manufacturer="Wurth Elektronik", Operating Temperature Max=155°C, Operating Temperature Min=-55°C, Rated Power=100mW, Resistance Tolerance=+/-1%, Temperature Coefficient of Resistance Max=100ppm/°C, Temperature Coefficient of Resistance Min=-100ppm/°C, Category="Thick Film Resistors", Component Type=Standard, ComponentLink1Description="Website Link", ComponentLink1URL=https://www.we-online.com/redexpert/article/560112116067?ad, ComponentLink2Description="Datasheet Link", ComponentLink2URL=https://www.we-online.com/redexpert/spec/560112116067?ad, Design Item ID=560112116067, Height=0.45mm, Length=1.6mm, Manufacturer Part Number=560112116067, Match Code=WRIS-RSKS, Mount="Surface Mount", Packaging="Tape and Reel", Pins=2, Source=WRIS-RSKS.SchLib, Width=0.8mm
R51 R55: library part CMP-009-00342-1, "WRIS-RSKS Thick Film Resistor, size 0603, 470000Ohm, 100mW", Case/Package=0603, Limiting Element Voltage=75V, Manufacturer="Wurth Elektronik", Operating Temperature Max=155°C, Operating Temperature Min=-55°C, Rated Power=100mW, Resistance Tolerance=+/-1%, Temperature Coefficient of Resistance Max=100ppm/°C, Temperature Coefficient of Resistance Min=-100ppm/°C, Category="Thick Film Resistors", Component Type=Standard, ComponentLink1Description="Website Link", ComponentLink1URL=https://www.we-online.com/redexpert/article/560112116019?ad, ComponentLink2Description="Datasheet Link", ComponentLink2URL=https://www.we-online.com/redexpert/spec/560112116019?ad, Design Item ID=560112116019, Height=0.45mm, Length=1.6mm, Manufacturer Part Number=560112116019, Match Code=WRIS-RSKS, Mount="Surface Mount", Packaging="Tape and Reel", Pins=2, Source=WRIS-RSKS.SchLib, Width=0.8mm
R52: library part CMP-009-00358-1, "WRIS-RSKS Thick Film Resistor, size 0603, 15000Ohm, 100mW", Case/Package=0603, Limiting Element Voltage=75V, Manufacturer="Wurth Elektronik", Operating Temperature Max=155°C, Operating Temperature Min=-55°C, Rated Power=100mW, Resistance Tolerance=+/-1%, Temperature Coefficient of Resistance Max=100ppm/°C, Temperature Coefficient of Resistance Min=-100ppm/°C, Category="Thick Film Resistors", Component Type=Standard, ComponentLink1Description="Website Link", ComponentLink1URL=https://www.we-online.com/redexpert/article/560112116035?ad, ComponentLink2Description="Datasheet Link", ComponentLink2URL=https://www.we-online.com/redexpert/spec/560112116035?ad, Design Item ID=560112116035, Height=0.45mm, Length=1.6mm, Manufacturer Part Number=560112116035, Match Code=WRIS-RSKS, Mount="Surface Mount", Packaging="Tape and Reel", Pins=2, Source=WRIS-RSKS.SchLib, Width=0.8mm
R56 R57: library part CMP-009-00124-2, "Res, 0R01, 1%, 2W, Metal Foil, 0612 Rohs Compliant: Yes"
RT1 RT2: library part CMP-010-00008-1, "RTD Platinum Sensor, 100ohm, Rectangular, Surface Mount", Case/Package=0603, Max Operating Temperature=155°C, Min Operating Temperature=-55°C, Mounting Technology="Surface Mount", RoHS Compliant=Yes, Sensor Type="TEMPERATURE SENSOR,RTD,PLATINUM"
SW1: library part CMP-011-00002-1, "Keypad Switch, 1 Switches, SPST, Momentary-tactile, 0.05A, 12VDC, 2.26N, Solder Terminal, Surface Mount-straight"
U1: library part CMP-020-00001-7, "Microcontroladores ARM (MCU) Mainstream Arm Cortex-M4+ MCU 170MHz 512Kbytes Math Accelerator High Analog"
U2: library part CMP-011-00001-1, "Wsen-hids/ Humidity, temperature Sensor"
U3: library part CMP-010-00006-1, "IMU (3 axis)"
U4: library part CMP-010-00002-1, "Piezoresistive Sensor, Absolute pressure sensor", RoHS Compliant=Yes
U5 U6 U7 U8: library part CMP-015-00000-1, "ADC, Delta-Sigma, 24-Bit, 1 Func, 8 Channel, Serial Access, PDSO20", RoHS Compliant=Yes
U9: library part CMP-087-000000-3, "LDO Voltage Regulators 1A Low-IQ Small-Size Low-Dropout (LDO) Regulator 5-SOT-23 -40 to 125", Manufacturer="Texas Instruments", Manufacturer Part Number=TLV75733PDBVR
U10 U11: library part CMP-014-00004-3, "Shunt Current Measure Amplifier", Manufacturer="Texas Instruments", Manufacturer Part Number=INA138NA/3K
  U10: ClassName="5V OPAMP"
  U11: ClassName="3V3 OPAMP"
Y1: library part CMP-003-00170-1, "WE-XTAL Quartz Crystal, SMT, CFPX-104, 10MHz, +/-30ppm", Case/Package=CFPX-104, Frequency=10MHz, Frequency Stability=+/-30ppm, Load Capacitance=12pF, Manufacturer="Wurth Elektronik", Operating Temperature Max=85°C, Operating Temperature Min=-40°C, Category=Crystals, Component Type=Standard, ComponentLink1Description="Website Link", ComponentLink1URL=https://www.we-online.com/redexpert/article/830056583?ad, ComponentLink2Description="Datasheet Link", ComponentLink2URL=https://www.we-online.com/redexpert/spec/830056583?ad, Design Item ID=830056583, Frequency Tolerance=+/-30ppm, Height=1mm, Length=5mm, Manufacturer Part Number=830056583, Match Code=WE-XTAL, Mount="Surface Mount", Packaging="Tape and Reel", Pins=4, Source=WE-XTAL.SchLib, Width=3.2mm

## Free pads (board coordinates)
  round 1.524 hole 3.5: 4(4,4) 4(4,76) 4(76,4) 4(76,76)

## Via types
v1: diameter 0.6, hole 0.3, Top Layer to Bottom Layer, 186 vias
v2: diameter 1, hole 0.3, Top Layer to Bottom Layer, 2 vias

## Nets (pads, with @x,y where several pads share a name; then routed paths per layer and width w, separated by ;. In a path a pad name is that pad's centre, name@x,y a point inside that pad or via, vN(x,y) a via of type N, cw(c..) or ccw(c..) an arc to the next point about the centre after c; other vN are vias at no path point)
3V3: C3.2 C7.2 C8.2 C9.2 C10.2 C12.1 C14.1 C40.2 C41.2 C44.2 C45.1 C46.2 C47.1 C48.2 C49.1 C50.2 C51.1 C52.2 FB1.1 P12.4 P25.4 Q1.5 Q2.5 R30.2 R31.2 R35.2 R36.2 R37.2 R38.2 R41.2 R42.2 R44.2 R45.2 U1.1 U1.24 U1.36 U1.48 U5.1 U5.4 U5.20 U6.1 U6.4 U6.20 U7.1 U7.4 U7.20 U8.1 U8.4 U8.20 U9.5 | length 155.4
  Top Layer w0.254: v1(10.15,34.915) 11.281,34.915 C49.1@11.293,34.927 11.566,35.2 11.566,35.324 12.55,36.308 U7.20@13.05,36.308 ; R44.2@13.198,20.437 13.198,20.287 15.334,18.151 21.072,18.151 C41.2@21.395,18.474 ; v1(17.1,64.15) 18.154,64.15 C50.2@18.21,64.094 ; C50.2@18.278,64.101 18.296,64.083 19.017,64.083 19.479,63.621 U8.1@20.789,63.621 20.887,63.523 21.649,63.523 21.841,63.331 21.841,61.961 21.649,61.769 20.887,61.769 U8.4@20.789,61.671 ; U7.1@18.798,36.21 C48.2@18.798,34.788 18.8,34.786 v1(18.8,33.525) ; U7.1@18.95,36.308 18.852,36.406 18.09,36.406 17.898,36.598 17.898,37.968 18.09,38.16 18.852,38.16 U7.4@18.95,38.258 ; C41.2@21.51,18.474 21.726,18.259 21.821,18.259 21.875,18.205 27.984,18.205 29.396,19.617 29.396,20.264 R45.2@29.569,20.437 29.569,20.587 29.742,20.76 29.892,20.76 32.582,23.45 35.475,23.45 36.875,24.85 v1(36.875,34.275) ; U8.20@26.689,63.621 26.852,63.621 26.95,63.719 C51.1@26.95,65.05 ; C51.1@27.125,65.125 28.134,64.116 28.284,64.116 v1(28.35,64.05) ; v1(33.977,34.604) 35.042,34.604 C44.2@35.048,34.598 ; v1(34.4,61.125) 34.466,61.059 34.466,60.843 34.737,60.572 U1.1@35.856,60.572 ; C44.2@35.117,34.875 35.442,35.2 36.55,36.308 U6.20@37.05,36.308 ; v1(36.439,62.601) 37.321,62.601 37.344,62.578 U1.48@37.344,62.06 ; v1(42.425,33.45) 42.425,34.644 C45.1@42.408,34.661 42.408,36.21 42.506,36.308 U6.1@42.95,36.308 42.852,36.406 42.09,36.406 41.898,36.598 41.898,37.968 42.09,38.16 42.852,38.16 U6.4@42.95,38.258 ; U1.24@42.844,53.584 42.867,53.561 42.867,52.933 C9.2@44.025,51.775 44.9,50.9 44.9,50.258 45.159,49.999 45.159,49.516 v1(45.225,49.45) ; U1.36@44.332,60.572 44.602,60.572 44.625,60.595 44.625,60.998 46.452,62.825 48.556,62.825 48.681,62.7 v1(48.775,62.7) ; Q1.5@53.42,60.771 53.42,59.345 C12.1@53.25,59.175 54.156,59.175 54.356,58.975 v1(54.45,58.975) ; C14.1@53.445,50.005 Q2.5@53.445,51.275 ; C14.1@53.495,49.93 C14.1@53.73,49.93 ; C14.1@53.755,50.205 53.784,50.175 v1(54.475,50.175) ; v1(56.124,35.042) 57.255,35.042 C46.2@57.267,35.054 57.54,35.327 57.569,35.327 58.55,36.308 U5.20@59.05,36.308 ; C40.2@58.791,18.671 C40.2@59.057,18.405 ; v1(59.5,34.325) 58.825,33.65 58.825,25.8 57.05,24.025 53.575,24.025 50.675,21.125 R42.2@50.675,20.437 50.675,20.287 52.557,18.405 C40.2@59.057,18.405 ; C47.1@64.95,34.47 C47.1@64.95,34.597 ; U5.4@64.95,38.258 64.852,38.16 64.09,38.16 63.898,37.968 63.898,36.598 64.09,36.406 64.852,36.406 U5.1@64.95,36.308 C47.1@64.95,34.597 ; v1(65.15,33.65) 65.15,34.515 65.068,34.597 C47.1@64.95,34.597 ; R41.2@67.3,20.437 67.3,20.287 65.418,18.405 C40.2@59.057,18.405
  Top Layer w0.6: U9.5@67.228,61.081 69.035,61.081 69.116,61.161 C52.2@69.116,61.169 ; C52.2@69.135,61.149 70.226,61.149 v1(70.275,61.1)
  Bottom Layer w0.254: R36.2@5.275,68.225 5.35,68.15 v1(5.35,66.85) ; R35.2@8.28,71.144 8.28,71.294 8.453,71.467 9.565,71.467 10.1,72.002 v1(10.1,72.075) ; v1(8.35,65.625) 8.416,65.691 8.416,65.866 9.55,67 R38.2@9.7,67 ; v1(12.2,50.575) 12.2,51.668 R31.2@12.219,51.687 ; R30.2@15.013,51.802 15.036,51.825 v1(16.1,51.825) ; R37.2@15.657,71.031 15.676,71.05 16.856,71.05 17.256,70.65 v1(17.35,70.65) ; v1(36.439,62.601) 36.439,62.533 36.185,62.279 36.185,61.216 C10.2@36.832,60.569 ; FB1.1@45.329,57.076 FB1.1@45.329,57.496 ; C3.2@45.329,58.283 FB1.1@45.329,57.496 ; v1(46.775,56.275) 46.73,56.275 46.091,56.914 45.552,56.914 45.477,56.989 45.477,57.348 FB1.1@45.329,57.496
3V3_Current+: D5.1 P11.3 P14.3 P15.3 P18.3 R57.2 U11.3 | length 11.9
  Top Layer w0.254: P15.3@51,76.255 51,74.087 52.652,72.436 52.652,72.248 52.864,72.036 D5.1@53.052,72.036
  Bottom Layer w0.254: U11.3@61.9,66.411 62.581,66.411 63.137,66.967 63.137,67.416 63.91,68.189 R57.2@64.76,68.189
  Bottom Layer w0.3: 66.975,66.575 66.975,66.225 68.216,64.984 68.216,64.359 v2(68.275,64.3)
  other v1: 63.871,70.602 65.268,70.602 66.792,70.602
3V3_Current-: C37.2 C38.1 C39.2 C42.2 C43.1 R3.2 R4.2 R7.1 R49.2 R57.1 U2.3 U3.2 U3.3 U3.9 U3.10 U4.1 U4.5 U4.6 U4.10 U11.4 | length 141.2
  Top Layer w0.2: U3.3@59.313,50.2 U3.2@59.313,50.7 U3.9@60.837,50.7 U3.10@60.837,51.2 ; C43.1@63.571,53.05 63.771,52.85 65.2,52.85 C42.2@65.325,52.975 66.215,52.975 U4.10@66.502,53.262 ; U4.10@66.59,53.35 66.665,53.275 66.927,53.275 U4.1@67.1,53.102 ; U4.1@67.1,53.09 U4.1@67.1,53.102 ; U4.6@67.6,54.61 U4.6@67.6,54.598 ; U4.5@68.11,54.35 68.098,54.35 67.925,54.522 67.675,54.522 U4.6@67.6,54.598 ; U4.1@67.1,53.102 67.1,53.6 67.6,54.1 U4.6@67.6,54.598
  Top Layer w0.254: v1(13.66,48.823) 14.448,48.823 R49.2@16.271,47 ; v1(46.14,65.943) 47.047,66.85 v1(52.825,66.85) ; R4.2@58.725,54 58.875,54 59.048,54.173 59.048,54.279 59.469,54.7 R3.2@60.3,54.7 R3.2@60.45,54.7 ; U3.10@60.837,51.2 60.843,51.194 60.847,51.19 C38.1@62.285,51.19 ; v1(61.82,52.75) 61.82,52.717 62.285,52.252 C38.1@62.285,51.19 ; C38.1@62.3,51.175 C38.1@62.285,51.19 ; C38.1@62.3,51.19 66.135,51.19 66.627,50.698 66.627,50.598 66.632,50.593 U2.3@66.732,50.593
  Bottom Layer w0.254: R7.1@5.55,44.525 5.55,44.675 6.362,45.487 6.362,45.49 7,46.129 7,52 ; v1(13.66,48.823) 11.152,48.823 7.975,52 7,52 ; v1(46.14,65.943) 45.572,65.375 41.575,65.375 37.075,69.875 24.125,69.875 23.075,68.825 20.4,68.825 16.2,73.025 3.94,73.025 1.675,70.76 1.675,64.624 3.85,62.449 3.85,62.4 5.875,60.375 5.875,53.125 7,52 ; v1(52.825,66.85) 52.825,66.775 54.45,65.15 60.961,65.15 61.9,64.211 U11.4@61.9,63.911 62.581,63.911 63.137,63.355 63.137,63.162 R57.1@63.91,62.389
  Bottom Layer w0.3: v1(61.82,52.75) 61.82,56.98 61.075,57.725 61.075,59.875 63.589,62.389 63.91,62.389 R57.1@64.76,62.389
5V_Current+: D6.1 P11.1 P14.1 P15.1 P18.1 R56.2 U10.3 | length 3.8
  Bottom Layer w0.254: U10.3@46.152,70.094 46.833,70.094 47.643,70.904 47.643,70.93 48.416,71.703 R56.2@49.266,71.703